# KiCad board mongus48.kicad_pcb
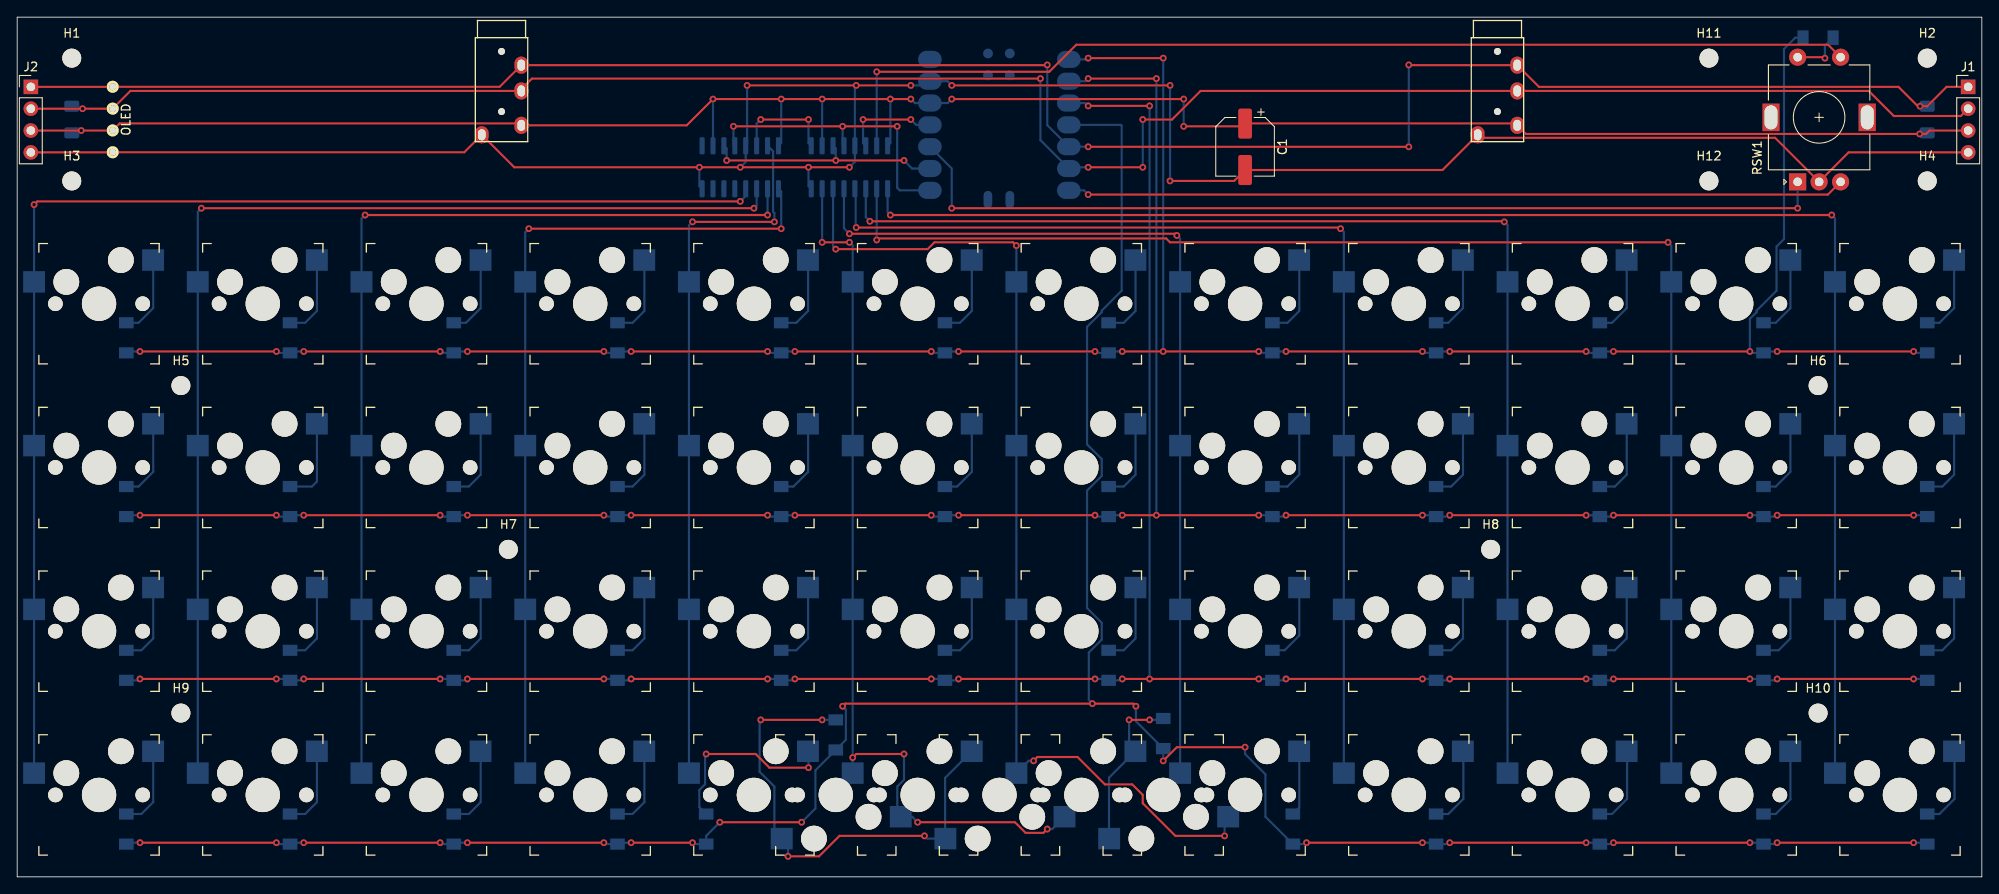
[diagram p0: board, top side]
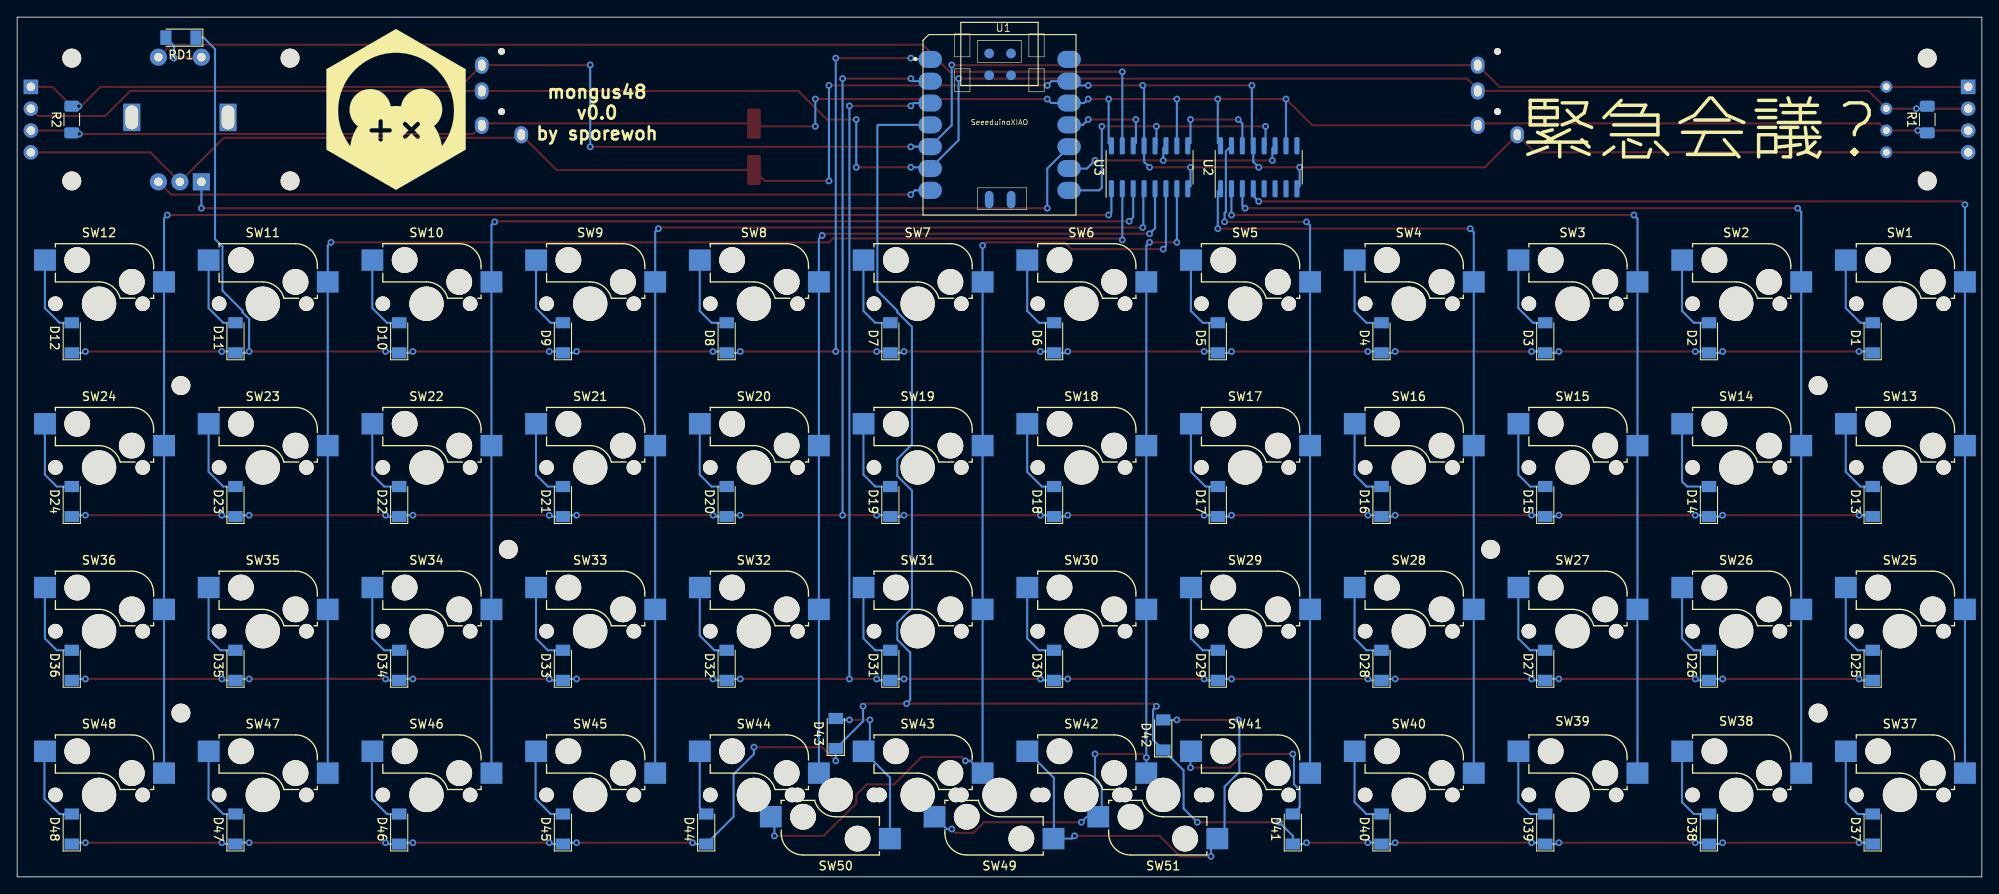
[diagram p1: board, bottom side, seen from below]

Outline 228.6 x 100.01 mm; copper layers: Top, Bottom. Coordinates in mm from the lower left corner of the outline.
Outline path: 0,100.01 0,0 228.6,0 228.6,100.01 0,100.01

## Placement (name value [footprint] x y rotation side)
C1  C_Polarized_US  [CP_Elec_6.3x7.7]  142.88 84.93 270 top
D1  LL4148  [D_MiniMELF]  12.7 62.71 90 bottom
D2  LL4148  [D_MiniMELF]  31.75 62.71 90 bottom
D3  LL4148  [D_MiniMELF]  50.8 62.71 90 bottom
D4  LL4148  [D_MiniMELF]  69.85 62.71 90 bottom
D5  LL4148  [D_MiniMELF]  88.9 62.71 90 bottom
D6  LL4148  [D_MiniMELF]  107.95 62.71 90 bottom
D7  LL4148  [D_MiniMELF]  127 62.71 90 bottom
D8  LL4148  [D_MiniMELF]  146.05 62.71 90 bottom
D9  LL4148  [D_MiniMELF]  165.1 62.71 90 bottom
D10  LL4148  [D_MiniMELF]  184.15 62.71 90 bottom
D11  LL4148  [D_MiniMELF]  203.2 62.71 90 bottom
D12  LL4148  [D_MiniMELF]  222.25 62.71 90 bottom
D13  LL4148  [D_MiniMELF]  12.7 43.66 90 bottom
D14  LL4148  [D_MiniMELF]  31.75 43.66 90 bottom
D15  LL4148  [D_MiniMELF]  50.8 43.66 90 bottom
D16  LL4148  [D_MiniMELF]  69.85 43.66 90 bottom
D17  LL4148  [D_MiniMELF]  88.9 43.66 90 bottom
D18  LL4148  [D_MiniMELF]  107.95 43.66 90 bottom
D19  LL4148  [D_MiniMELF]  127 43.66 90 bottom
D20  LL4148  [D_MiniMELF]  146.05 43.66 90 bottom
D21  LL4148  [D_MiniMELF]  165.1 43.66 90 bottom
D22  LL4148  [D_MiniMELF]  184.15 43.66 90 bottom
D23  LL4148  [D_MiniMELF]  203.2 43.66 90 bottom
D24  LL4148  [D_MiniMELF]  222.25 43.66 90 bottom
D25  LL4148  [D_MiniMELF]  12.7 24.61 90 bottom
D26  LL4148  [D_MiniMELF]  31.75 24.61 90 bottom
D27  LL4148  [D_MiniMELF]  50.8 24.61 90 bottom
D28  LL4148  [D_MiniMELF]  69.85 24.61 90 bottom
D29  LL4148  [D_MiniMELF]  88.9 24.61 90 bottom
D30  LL4148  [D_MiniMELF]  107.95 24.61 90 bottom
D31  LL4148  [D_MiniMELF]  127 24.61 90 bottom
D32  LL4148  [D_MiniMELF]  146.05 24.61 90 bottom
D33  LL4148  [D_MiniMELF]  165.1 24.61 90 bottom
D34  LL4148  [D_MiniMELF]  184.15 24.61 90 bottom
D35  LL4148  [D_MiniMELF]  203.2 24.61 90 bottom
D36  LL4148  [D_MiniMELF]  222.25 24.61 90 bottom
D37  LL4148  [D_MiniMELF]  12.7 5.56 90 bottom
D38  LL4148  [D_MiniMELF]  31.75 5.56 90 bottom
D39  LL4148  [D_MiniMELF]  50.8 5.56 90 bottom
D40  LL4148  [D_MiniMELF]  69.85 5.56 90 bottom
D41  LL4148  [D_MiniMELF]  80.17 5.56 90 bottom
D42  LL4148  [D_MiniMELF]  95.25 16.51 90 bottom
D43  LL4148  [D_MiniMELF]  133.35 16.67 90 bottom
D44  LL4148  [D_MiniMELF]  148.43 5.56 90 bottom
D45  LL4148  [D_MiniMELF]  165.1 5.56 90 bottom
D46  LL4148  [D_MiniMELF]  184.15 5.56 90 bottom
D47  LL4148  [D_MiniMELF]  203.2 5.56 90 bottom
D48  LL4148  [D_MiniMELF]  222.25 5.56 90 bottom
H1  MountingHole  [MountingHole_2.2mm_M2_DIN965]  6.35 95.25 0 top
H2  MountingHole  [MountingHole_2.2mm_M2_DIN965]  222.25 95.25 0 top
H3  MountingHole  [MountingHole_2.2mm_M2_DIN965]  6.35 80.96 0 top
H4  MountingHole  [MountingHole_2.2mm_M2_DIN965]  222.25 80.96 0 top
H5  MountingHole  [MountingHole_2.2mm_M2_DIN965]  19.05 57.15 0 top
H6  MountingHole  [MountingHole_2.2mm_M2_DIN965]  209.55 57.15 0 top
H7  MountingHole  [MountingHole_2.2mm_M2_DIN965]  57.15 38.1 0 top
H8  MountingHole  [MountingHole_2.2mm_M2_DIN965]  171.45 38.1 0 top
H9  MountingHole  [MountingHole_2.2mm_M2_DIN965]  19.05 19.05 0 top
H10  MountingHole  [MountingHole_2.2mm_M2_DIN965]  209.55 19.05 0 top
H11  MountingHole  [MountingHole_2.2mm_M2_DIN965]  196.85 95.25 0 top
H12  MountingHole  [MountingHole_2.2mm_M2_DIN965]  196.85 80.96 0 top
J1  Conn_01x04_Male  [PinHeader_1x04_P2.54mm_Vertical]  227.01 91.91 0 top
J2  Conn_01x04_Female  [PinHeader_1x04_P2.54mm_Vertical]  1.59 91.91 0 top
OL1  OLED  [OLED_v2]  11.11 88.11 270 top
R1  R  [R_1206_3216Metric_Pad1.30x1.75mm_HandSolder]  6.35 88.11 90 bottom
R2  R  [R_1206_3216Metric_Pad1.30x1.75mm_HandSolder]  222.25 88.11 90 bottom
RD1  LL4148  [D_MiniMELF]  209.55 97.63 0 bottom
RSW1  RotaryEncoder_Switch  [RotaryEncoder_Alps_EC11E-Switch_Vertical_H20mm]  207.17 80.86 90 top
SW1  SW_SPST  [Kailh_socket_MX]  9.52 66.68 0 top
SW2  SW_SPST  [Kailh_socket_MX]  28.58 66.68 0 top
SW3  SW_SPST  [Kailh_socket_MX]  47.63 66.68 0 top
SW4  SW_SPST  [Kailh_socket_MX]  66.68 66.68 0 top
SW5  SW_SPST  [Kailh_socket_MX]  85.72 66.68 0 top
SW6  SW_SPST  [Kailh_socket_MX]  104.78 66.68 0 top
SW7  SW_SPST  [Kailh_socket_MX]  123.82 66.68 0 top
SW8  SW_SPST  [Kailh_socket_MX]  142.88 66.68 0 top
SW9  SW_SPST  [Kailh_socket_MX]  161.92 66.68 0 top
SW10  SW_SPST  [Kailh_socket_MX]  180.97 66.68 0 top
SW11  SW_SPST  [Kailh_socket_MX]  200.03 66.68 0 top
SW12  SW_SPST  [Kailh_socket_MX]  219.07 66.68 0 top
SW13  SW_SPST  [Kailh_socket_MX]  9.52 47.62 0 top
SW14  SW_SPST  [Kailh_socket_MX]  28.58 47.62 0 top
SW15  SW_SPST  [Kailh_socket_MX]  47.63 47.62 0 top
SW16  SW_SPST  [Kailh_socket_MX]  66.68 47.62 0 top
SW17  SW_SPST  [Kailh_socket_MX]  85.72 47.62 0 top
SW18  SW_SPST  [Kailh_socket_MX]  104.78 47.62 0 top
SW19  SW_SPST  [Kailh_socket_MX]  123.82 47.62 0 top
SW20  SW_SPST  [Kailh_socket_MX]  142.88 47.62 0 top
SW21  SW_SPST  [Kailh_socket_MX]  161.92 47.62 0 top
SW22  SW_SPST  [Kailh_socket_MX]  180.97 47.62 0 top
SW23  SW_SPST  [Kailh_socket_MX]  200.03 47.62 0 top
SW24  SW_SPST  [Kailh_socket_MX]  219.07 47.62 0 top
SW25  SW_SPST  [Kailh_socket_MX]  9.52 28.58 0 top
SW26  SW_SPST  [Kailh_socket_MX]  28.58 28.58 0 top
SW27  SW_SPST  [Kailh_socket_MX]  47.63 28.58 0 top
SW28  SW_SPST  [Kailh_socket_MX]  66.68 28.58 0 top
SW29  SW_SPST  [Kailh_socket_MX]  85.72 28.58 0 top
SW30  SW_SPST  [Kailh_socket_MX]  104.78 28.58 0 top
SW31  SW_SPST  [Kailh_socket_MX]  123.82 28.58 0 top
SW32  SW_SPST  [Kailh_socket_MX]  142.88 28.58 0 top
SW33  SW_SPST  [Kailh_socket_MX]  161.92 28.58 0 top
SW34  SW_SPST  [Kailh_socket_MX]  180.97 28.58 0 top
SW35  SW_SPST  [Kailh_socket_MX]  200.03 28.58 0 top
SW36  SW_SPST  [Kailh_socket_MX]  219.07 28.58 0 top
SW37  SW_SPST  [Kailh_socket_MX]  9.52 9.53 0 top
SW38  SW_SPST  [Kailh_socket_MX]  28.58 9.53 0 top
SW39  SW_SPST  [Kailh_socket_MX]  47.63 9.53 0 top
SW40  SW_SPST  [Kailh_socket_MX]  66.68 9.53 0 top
SW41  SW_SPST  [Kailh_socket_MX]  85.72 9.53 0 top
SW42  SW_SPST  [Kailh_socket_MX]  104.78 9.53 0 top
SW43  SW_SPST  [Kailh_socket_MX]  123.82 9.53 0 top
SW44  SW_SPST  [Kailh_socket_MX]  142.88 9.53 0 top
SW45  SW_SPST  [Kailh_socket_MX]  161.92 9.53 0 top
SW46  SW_SPST  [Kailh_socket_MX]  180.97 9.53 0 top
SW47  SW_SPST  [Kailh_socket_MX]  200.03 9.53 0 top
SW48  SW_SPST  [Kailh_socket_MX]  219.07 9.53 0 top
SW49  SW_SPST  [Kailh_socket_MX]  114.3 9.53 180 top
SW50  SW_SPST  [Kailh_socket_MX]  133.35 9.53 180 top
SW51  SW_SPST  [Kailh_socket_MX]  95.25 9.53 180 top
U1  SeeeduinoXIAO  [Seeeduino XIAO-MOUDLE14P-2.54-21X17.8MM]  123.2 76.99 180 bottom
U2  74HC595  [SOP-16_3.9x9.9mm_P1.27mm]  84.14 82.55 90 bottom
U3  74HC595  [SOP-16_3.9x9.9mm_P1.27mm]  96.84 82.55 90 bottom
U4  TRRS  [TRRS-PJ-320A]  56.36 97.63 0 top
U5  TRRS  [TRRS-PJ-320A]  172.24 97.63 0 top

## Footprints (pads in the part's own frame, mm; a bottom-side part is the same pattern mirrored in y, then rotated)
CP_Elec_6.3x7.7
  rrect 3.5x1.6 smd: 1(-2.7,0) 2(2.7,0)
D_MiniMELF
  rect 1.3x1.7 smd: 1(-1.75,0) 2(1.75,0)
Kailh_socket_MX
  round 1.702 hole 1.702 unplated: (-5.08,0) (5.08,0)
  round 3 hole 3 unplated: (-3.81,2.54) (2.54,5.08)
  round 3.988 hole 3.988 unplated: (0,0)
  rect 2.55x2.5 smd far side: 1(6.29,5.08) 2(-7.56,2.54)
MountingHole_2.2mm_M2_DIN965
  round 2.2 hole 2.2 unplated: (0,0)
OLED_v2
  round 1.397 hole 0.813: 1(-3.81,0) 2(-1.27,0) 3(1.27,0) 4(3.81,0)
PinHeader_1x04_P2.54mm_Vertical
  rect 1.7x1.7 hole 1: 1(0,0)
  oval 1.7x1.7 hole 1: 2(0,-2.54) 3(0,-5.08) 4(0,-7.62)
R_1206_3216Metric_Pad1.30x1.75mm_HandSolder
  rrect 1.3x1.75 smd: 1(-1.55,0) 2(1.55,0)
RotaryEncoder_Alps_EC11E-Switch_Vertical_H20mm
  rect 2x2 hole 1: A(0,0)
  round 2 hole 1: B(0,-5) C(0,-2.5) S1(14.5,-5) S2(14.5,0)
  rect 3.2x2 hole 2.8x1.5: MP(7.5,3.1) MP(7.5,-8.1)
Seeeduino XIAO-MOUDLE14P-2.54-21X17.8MM
  oval 2.748x1.999 smd: 1(0.833,18.118) 2(0.833,15.578) 3(0.833,13.038) 4(0.833,10.498) 5(0.833,7.958) 6(0.833,5.418) 7(0.833,2.878) 8(16.998,2.878) 9(16.998,5.418) 10(16.998,7.958) 11(16.998,10.498) 12(16.998,13.038) 13(16.998,15.578) 14(16.998,18.118)
  oval 1.016x2.032 smd: 15(7.7,1.8) 16(10.25,1.8)
  round 1.143 smd: 17(7.699,18.804) 18(10.239,18.804) 19(7.699,16.264) 20(10.239,16.264)
SOP-16_3.9x9.9mm_P1.27mm
  rrect 2x0.6 smd: 1(-2.5,4.445) 2(-2.5,3.175) 3(-2.5,1.905) 4(-2.5,0.635) 5(-2.5,-0.635) 6(-2.5,-1.905) 7(-2.5,-3.175) 8(-2.5,-4.445) 9(2.5,-4.445) 10(2.5,-3.175) 11(2.5,-1.905) 12(2.5,-0.635) 13(2.5,0.635) 14(2.5,1.905) 15(2.5,3.175) 16(2.5,4.445)
TRRS-PJ-320A
  round 0.8 hole 0.8 unplated: (0,-1.6) (0,-8.6)
  oval 1.6x2 hole 0.9x1.3: 1(-2.3,-11.3) 2(2.3,-10.2) 3(2.3,-6.2) 4(2.3,-3.2)

## Nets
3v3: C1.1 J1.3 J2.3 OL1.3 R1.1 R2.1 U1.12 U2.10 U2.16 U3.10 U3.16 U4.2 U5.2
gnd: C1.2 J1.4 J2.4 OL1.4 RSW1.C U1.13 U2.8 U2.13 U3.8 U3.13 U4.1 U5.1
col0: RSW1.S1 U3.15
col1: SW12.2 SW24.2 SW36.2 SW48.2 U3.1
col2: SW11.2 SW23.2 SW35.2 SW47.2 U3.2
col3: SW10.2 SW22.2 SW34.2 SW46.2 U3.3
col4: SW9.2 SW21.2 SW33.2 SW45.2 U3.4
col5: SW8.2 SW20.2 SW32.2 SW44.2 U3.5
col6: SW7.2 SW19.2 SW31.2 SW43.2 SW50.2 U3.6
col7: SW6.2 SW18.2 SW30.2 SW42.2 SW49.2 SW51.2 U3.7
col8: SW5.2 SW17.2 SW29.2 SW41.2 U2.15
col9: SW4.2 SW16.2 SW28.2 SW40.2 U2.1
col10: SW3.2 SW15.2 SW27.2 SW39.2 U2.2
col11: SW2.2 SW14.2 SW26.2 SW38.2 U2.3
col12: SW1.2 SW13.2 SW25.2 SW37.2 U2.4
io_cs: U1.8 U2.12 U3.12
mosi: U1.11 U3.14
pad_a: RSW1.A U1.10
pad_b: RSW1.B U1.7
row0: D1.1 D2.1 D3.1 D4.1 D5.1 D6.1 D7.1 D8.1 D9.1 D10.1 D11.1 D12.1 RD1.1 U1.1
row1: D13.1 D14.1 D15.1 D16.1 D17.1 D18.1 D19.1 D20.1 D21.1 D22.1 D23.1 D24.1 U1.2
row2: D25.1 D26.1 D27.1 D28.1 D29.1 D30.1 D31.1 D32.1 D33.1 D34.1 D35.1 D36.1 U1.3
row3: D37.1 D38.1 D39.1 D40.1 D41.1 D42.1 D43.1 D44.1 D45.1 D46.1 D47.1 D48.1 U1.4
sck: U1.9 U2.11 U3.11
scl: J1.2 J2.2 OL1.2 R1.2 U1.6 U4.3 U5.3
sda: J1.1 J2.1 OL1.1 R2.2 U1.5 U4.4 U5.4
Net-(D1-Pad2): D1.2 SW1.1
Net-(D2-Pad2): D2.2 SW2.1
Net-(D3-Pad2): D3.2 SW3.1
Net-(D4-Pad2): D4.2 SW4.1
Net-(D5-Pad2): D5.2 SW5.1
Net-(D6-Pad2): D6.2 SW6.1
Net-(D7-Pad2): D7.2 SW7.1
Net-(D8-Pad2): D8.2 SW8.1
Net-(D9-Pad2): D9.2 SW9.1
Net-(D10-Pad2): D10.2 SW10.1
Net-(D11-Pad2): D11.2 SW11.1
Net-(D12-Pad2): D12.2 SW12.1
Net-(D13-Pad2): D13.2 SW13.1
Net-(D14-Pad2): D14.2 SW14.1
Net-(D15-Pad2): D15.2 SW15.1
Net-(D16-Pad2): D16.2 SW16.1
Net-(D17-Pad2): D17.2 SW17.1
Net-(D18-Pad2): D18.2 SW18.1
Net-(D19-Pad2): D19.2 SW19.1
Net-(D20-Pad2): D20.2 SW20.1
Net-(D21-Pad2): D21.2 SW21.1
Net-(D22-Pad2): D22.2 SW22.1
Net-(D23-Pad2): D23.2 SW23.1
Net-(D24-Pad2): D24.2 SW24.1
Net-(D25-Pad2): D25.2 SW25.1
Net-(D26-Pad2): D26.2 SW26.1
Net-(D27-Pad2): D27.2 SW27.1
Net-(D28-Pad2): D28.2 SW28.1
Net-(D29-Pad2): D29.2 SW29.1
Net-(D30-Pad2): D30.2 SW30.1
Net-(D31-Pad2): D31.2 SW31.1
Net-(D32-Pad2): D32.2 SW32.1
Net-(D33-Pad2): D33.2 SW33.1
Net-(D34-Pad2): D34.2 SW34.1
Net-(D35-Pad2): D35.2 SW35.1
Net-(D36-Pad2): D36.2 SW36.1
Net-(D37-Pad2): D37.2 SW37.1
Net-(D38-Pad2): D38.2 SW38.1
Net-(D39-Pad2): D39.2 SW39.1
Net-(D40-Pad2): D40.2 SW40.1
Net-(D41-Pad2): D41.2 SW41.1
Net-(D42-Pad2): D42.2 SW42.1 SW49.1 SW51.1
Net-(D43-Pad2): D43.2 SW43.1 SW50.1
Net-(D44-Pad2): D44.2 SW44.1
Net-(D45-Pad2): D45.2 SW45.1
Net-(D46-Pad2): D46.2 SW46.1
Net-(D47-Pad2): D47.2 SW47.1
Net-(D48-Pad2): D48.2 SW48.1
Net-(RD1-Pad2): RD1.2 RSW1.S2
Net-(U2-Pad14): U2.14 U3.9

Pads without a net: RSW1 MP; U1 14 15 16 17 18 19 20; U2 5 6 7 9

## Via types
v1: diameter 0.8, hole 0.4, Top to Bottom, 181 vias

## Routing (per net, layer and track width the routed paths; a pad name or vN(x,y) marks a point on that pad's centre or on a via; arc(x,y) is an arc through that point)
3v3: length 255.7
  Top w0.25: J1.3 222.52,86.83 R2.1 222.13,86.43 v1(221.37,86.43) 175.54,86.43 U5.2 174.32,87.66 142.9,87.66 C1.1 142.56,87.31 v1(135.73,87.31) ; J2.3 v1(7.45,86.83) 11.1,86.83 OL1.3 11.93,87.66 58.43,87.66 U4.2 77.91,87.43 v1(80.96,90.49) v1(103.98,90.49) ; v1(108.74,90.49) v1(135.73,90.49)
  Bottom w0.25: U2.16 88.9,85.37 v1(88.9,90.49) ; v1(135.73,90.49) v1(135.73,87.31) ; v1(7.45,86.83) 6.62,86.83 R1.1 ; v1(221.37,86.43) 222.13,86.43 R2.1 ; v1(103.98,90.49) 104.44,90.03 U1.12 108.28,90.03 v1(108.74,90.49) ; v1(101.6,90.49) 101.6,85.37 U3.16 ; v1(80.96,90.49) U2.10 ; v1(93.66,90.49) U3.10
gnd: length 282.1
  Top w0.25: v1(96.84,82.55) v1(92.07,82.55) v1(84.14,82.55) v1(79.38,82.55) 57.84,82.55 U4.1 52.02,84.3 OL1.4 11.1,84.29 J2.4 ; v1(108.74,92.08) v1(134.14,92.08) ; v1(84.93,92.08) v1(97.63,92.08) v1(103.98,92.08) ; v1(134.14,80.96) 141.61,80.96 C1.2 165.84,82.23 U5.1 170.29,85.98 204.54,85.98 RSW1.C 213.1,84.29 J1.4
  Bottom w0.25: v1(97.63,92.08) 97.47,91.92 U3.13 97.47,83.19 v1(96.84,82.55) ; U2.8 79.38,80.37 v1(79.38,82.55) ; v1(92.07,82.55) 92.07,80.37 U3.8 ; v1(84.14,82.55) 84.77,83.19 U2.13 84.93,85.21 v1(84.93,92.08) ; v1(134.14,92.08) v1(134.14,80.96) ; v1(103.98,92.08) 105.71,92.08 U1.13 108.25,92.57 v1(108.74,92.08)
col0: length 122.7
  Top w0.25: v1(100.01,93.66) 120.09,93.66 123.23,96.81 210.72,96.81 RSW1.S1
  Bottom w0.25: U3.15 v1(100.01,93.66)
col1: length 177.8
  Top w0.25: v1(101.6,76.99) v1(211.14,76.99)
  Bottom w0.25: v1(211.14,76.99) 211.51,76.62 SW12.2 SW48.2 ; U3.1 101.28,77.31 v1(101.6,76.99)
col2: length 160.2
  Top w0.25: v1(100.01,74.09) 100.19,74.27 133.69,74.27 134.14,73.82 v1(192.09,73.82)
  Bottom w0.25: v1(192.09,73.82) 192.47,73.44 SW11.2 SW47.2 ; U3.2 v1(100.01,74.09)
col3: length 142.1
  Top w0.25: v1(99.22,76.27) 172.97,76.27 v1(173.04,76.2)
  Bottom w0.25: v1(99.22,76.27) 98.74,76.74 U3.3 ; SW46.2 SW10.2 173.41,75.82 v1(173.04,76.2)
col4: length 124.5
  Top w0.25: v1(153.99,75.41) 153.85,75.54 v1(97.63,75.54)
  Bottom w0.25: SW45.2 SW9.2 154.36,75.03 v1(153.99,75.41) ; v1(97.63,75.54) 97.56,75.61 97.56,79.96 U3.4
col5: length 106.4
  Top w0.25: v1(96.84,74.82) 134.73,74.82 v1(134.94,74.61)
  Bottom w0.25: v1(134.94,74.61) 135.31,74.23 SW8.2 SW44.2 ; v1(96.84,74.82) 96.2,75.45 U3.5
col6: length 121.8
  Top w0.25: v1(118.27,13.49) 118.71,13.94 123.38,13.94 126.57,10.75 129.74,10.75 130.97,9.53 130.97,8.56 134.76,4.76 v1(140.49,4.76) ; v1(116.26,73.44) 115.89,73.82 106.73,73.82 105.93,73.03 v1(95.25,73.03)
  Bottom w0.25: v1(95.25,73.03) 94.93,73.34 U3.6 ; SW50.2 140.49,6.57 v1(140.49,4.76) ; v1(116.26,73.44) SW43.2 117.69,13.49 v1(118.27,13.49)
col7: length 105.9
  Top w0.25: v1(104.78,6.35) 116.09,6.35 117.33,5.11 119.41,5.11 v1(119.86,5.56) ; v1(103.19,14.29) 97.63,14.29 v1(97.22,13.87) ; v1(93.66,73.82) v1(96.84,73.82)
  Bottom w0.25: v1(119.86,5.56) 120.43,5.56 SW49.2 ; SW42.2 v1(97.22,13.87) SW6.2 97.22,73.44 v1(96.84,73.82) ; v1(103.19,14.29) 103.19,11.29 102.41,10.51 102.41,7.39 SW51.2 104.14,6.99 v1(104.78,6.35) ; U3.7 v1(93.66,73.82)
col8: length 83
  Top w0.25: v1(88.11,76.2) v1(78.58,76.2)
  Bottom w0.25: U2.15 87.96,84.4 87.96,77.37 88.11,77.22 v1(88.11,76.2) ; v1(78.58,76.2) 78.16,75.78 SW5.2 SW41.2
col9: length 97.7
  Top w0.25: v1(88.9,75.41) v1(59.53,75.41)
  Bottom w0.25: v1(59.53,75.41) 59.12,74.99 SW4.2 SW16.2 SW40.2 ; U2.1 88.9,79.73 v1(88.9,75.41)
col10: length 115
  Top w0.25: v1(87.31,76.99) v1(40.48,76.99)
  Bottom w0.25: v1(40.48,76.99) 40.07,76.58 SW3.2 SW39.2 ; U2.2 v1(87.31,76.99)
col11: length 132.6
  Top w0.25: v1(85.72,77.79) v1(21.43,77.79)
  Bottom w0.25: v1(21.43,77.79) 21.02,77.37 SW2.2 SW38.2 ; v1(85.72,77.79) 86.04,78.11 U2.3
col12: length 150.2
  Top w0.25: v1(84.14,78.58) 2.34,78.58 v1(1.97,78.2)
  Bottom w0.25: v1(84.14,78.58) 84.77,79.22 U2.4 ; v1(1.97,78.2) SW1.2 SW37.2
io_cs: length 34.8
  Top w0.25: v1(102.39,87.31) v1(83.34,87.31)
  Bottom w0.25: U1.8 102.7,79.87 102.39,80.17 v1(102.39,87.31) ; v1(83.34,87.31) 83.34,85.21 U2.12 ; v1(96.04,87.31) 96.04,85.21 U3.12
mosi: length 11.2
  Top w0.25: v1(103.98,88.11) v1(98.42,88.11)
  Bottom w0.25: v1(103.98,88.11) 104.6,87.49 U1.11 ; U3.14 98.42,85.37 v1(98.42,88.11)
pad_a: length 109.7
  Top w0.25: v1(108.74,77.79) v1(207.17,77.79)
  Bottom w0.25: v1(108.74,77.79) 108.74,82.4 U1.10 ; v1(207.17,77.79) RSW1.A
pad_b: length 90.6
  Top w0.25: v1(124.62,79.38) 210.69,79.38 RSW1.B
  Bottom w0.25: U1.7 124.13,79.87 v1(124.62,79.38)
row0: length 295.8
  Top w0.25: v1(144.46,61.12) v1(133.35,61.12) v1(128.59,61.12) ; v1(201.61,61.12) v1(185.74,61.12) ; v1(68.26,61.12) v1(52.39,61.12) ; v1(49.21,61.12) v1(33.34,61.12) ; v1(30.16,61.12) v1(14.29,61.12) ; v1(106.36,61.12) v1(90.49,61.12) ; v1(220.66,61.12) v1(204.79,61.12) ; v1(124.62,95.25) v1(133.35,95.25) ; v1(125.41,61.12) v1(109.54,61.12) ; v1(182.56,61.12) v1(166.69,61.12) ; v1(163.51,61.12) v1(147.64,61.12) ; v1(87.31,61.12) v1(71.44,61.12)
  Bottom w0.25: v1(106.36,61.12) 106.53,60.96 D6.1 108.11,61.12 v1(109.54,61.12) ; v1(33.34,61.12) 31.91,61.12 D2.1 30.33,60.96 v1(30.16,61.12) ; v1(166.69,61.12) 165.26,61.12 D9.1 163.67,60.96 v1(163.51,61.12) ; v1(49.21,61.12) 49.38,60.96 D3.1 50.96,61.12 v1(52.39,61.12) ; v1(90.49,61.12) 89.06,61.12 D5.1 87.47,60.96 v1(87.31,61.12) ; D1.1 12.86,61.12 v1(14.29,61.12) ; v1(144.46,61.12) 144.62,60.96 D8.1 146.21,61.12 v1(147.64,61.12) ; RD1.1 206.9,97.63 205.58,96.31 205.58,74.2 204.72,73.33 204.72,68.19 202.39,65.87 202.39,65.69 201.61,64.91 v1(201.61,61.12) 201.78,60.96 D11.1 203.36,61.12 v1(204.79,61.12) ; v1(182.56,61.12) 182.72,60.96 D10.1 184.31,61.12 v1(185.74,61.12) ; v1(124.62,95.25) 124.47,95.11 U1.1 ; v1(125.41,61.12) 125.57,60.96 D7.1 127.16,61.12 v1(128.59,61.12) ; v1(133.35,95.25) v1(133.35,61.12) ; v1(68.26,61.12) 68.43,60.96 D4.1 70.01,61.12 v1(71.44,61.12) ; v1(220.66,61.12) 220.82,60.96 D12.1
row1: length 272.1
  Top w0.25: v1(87.31,42.07) v1(71.44,42.07) ; v1(125.41,42.07) v1(109.54,42.07) ; v1(30.16,42.07) v1(14.29,42.07) ; v1(124.62,92.87) v1(132.56,92.87) ; v1(166.69,42.07) v1(182.56,42.07) ; v1(132.56,42.07) v1(144.46,42.07) ; v1(185.74,42.07) v1(201.61,42.07) ; v1(147.64,42.07) v1(163.51,42.07) ; v1(68.26,42.07) v1(52.39,42.07) ; v1(49.21,42.07) v1(33.34,42.07) ; v1(106.36,42.07) v1(90.49,42.07) ; 132.49,42.07 v1(128.59,42.07) ; v1(204.79,42.07) v1(220.66,42.07)
  Bottom w0.25: v1(204.79,42.07) 204.62,41.91 D23.1 203.04,42.07 v1(201.61,42.07) ; v1(87.31,42.07) 87.47,41.91 D17.1 89.06,42.07 v1(90.49,42.07) ; D24.1 222.09,42.07 v1(220.66,42.07) ; v1(163.51,42.07) 164.94,42.07 D21.1 166.53,41.91 v1(166.69,42.07) ; v1(49.21,42.07) 49.38,41.91 D15.1 50.96,42.07 v1(52.39,42.07) ; v1(106.36,42.07) 106.53,41.91 D18.1 108.11,42.07 v1(109.54,42.07) ; v1(68.26,42.07) 68.43,41.91 D16.1 70.01,42.07 v1(71.44,42.07) ; U1.2 124.32,92.57 v1(124.62,92.87) ; v1(147.64,42.07) 147.47,41.91 D20.1 145.89,42.07 v1(144.46,42.07) ; v1(30.16,42.07) 30.33,41.91 D14.1 31.91,42.07 v1(33.34,42.07) ; v1(14.29,42.07) 12.86,42.07 D13.1 ; v1(182.56,42.07) 183.99,42.07 D22.1 185.57,41.91 v1(185.74,42.07) ; v1(132.56,92.87) v1(132.56,42.07) ; v1(125.41,42.07) 125.57,41.91 D19.1 127.16,42.07 v1(128.59,42.07)
row2: length 287.2
  Top w0.25: v1(144.46,23.02) v1(131.76,23.02) v1(128.59,23.02) ; v1(204.79,23.02) v1(220.66,23.02) ; v1(90.49,23.02) v1(106.36,23.02) ; v1(185.74,23.02) v1(201.61,23.02) ; v1(52.39,23.02) v1(68.26,23.02) ; v1(14.29,23.02) v1(30.16,23.02) ; v1(33.34,23.02) v1(49.21,23.02) ; v1(124.62,89.69) v1(131.76,89.69) ; v1(109.54,23.02) v1(125.41,23.02) ; v1(166.69,23.02) v1(182.56,23.02) ; v1(147.64,23.02) v1(163.51,23.02) ; v1(71.44,23.02) v1(87.31,23.02)
  Bottom w0.25: v1(109.54,23.02) 109.38,22.86 D30.1 107.79,23.02 v1(106.36,23.02) ; v1(185.74,23.02) 185.57,22.86 D34.1 183.99,23.02 v1(182.56,23.02) ; v1(124.62,89.69) 124.29,90.03 U1.3 ; v1(163.51,23.02) 164.94,23.02 D33.1 166.53,22.86 v1(166.69,23.02) ; v1(125.41,23.02) 126.84,23.02 D31.1 128.42,22.86 v1(128.59,23.02) ; v1(87.31,23.02) 88.74,23.02 D29.1 90.32,22.86 v1(90.49,23.02) ; v1(49.21,23.02) 50.64,23.02 D27.1 52.23,22.86 v1(52.39,23.02) ; v1(220.66,23.02) 222.09,23.02 D36.1 ; v1(147.64,23.02) 147.47,22.86 D32.1 145.89,23.02 v1(144.46,23.02) ; v1(201.61,23.02) 203.04,23.02 D35.1 204.62,22.86 v1(204.79,23.02) ; v1(30.16,23.02) 31.59,23.02 D26.1 33.18,22.86 v1(33.34,23.02) ; v1(68.26,23.02) 69.69,23.02 D28.1 71.28,22.86 v1(71.44,23.02) ; D25.1 14.12,22.86 v1(14.29,23.02) ; v1(131.76,89.69) v1(131.76,23.02)
row3: length 314.7
  Top w0.25: v1(49.21,3.97) v1(33.34,3.97) ; v1(130.17,19.84) 129.87,20.15 v1(125.11,20.15) 96.35,20.15 v1(96.04,19.84) ; v1(185.74,3.97) v1(201.61,3.97) ; v1(150.02,3.97) v1(163.51,3.97) ; v1(133.35,13.49) 134.94,15.08 v1(142.88,15.08) ; v1(166.69,3.97) v1(182.56,3.97) ; v1(91.28,6.35) v1(81.76,6.35) ; v1(68.26,3.97) v1(52.39,3.97) ; v1(204.79,3.97) v1(220.66,3.97) ; v1(30.16,3.97) v1(14.29,3.97) ; v1(78.58,3.97) v1(71.44,3.97)
  Bottom w0.25: v1(52.39,3.97) 50.96,3.97 D39.1 49.38,3.81 v1(49.21,3.97) ; v1(14.29,3.97) 12.86,3.97 D37.1 ; v1(166.69,3.97) 166.53,3.81 D45.1 164.94,3.97 v1(163.51,3.97) ; v1(133.35,13.49) D43.1 130.17,18.09 v1(130.17,19.84) ; v1(71.44,3.97) 70.01,3.97 D40.1 68.43,3.81 v1(68.26,3.97) ; v1(142.88,15.08) 142.88,14.29 145.24,11.92 145.24,6.99 D44.1 149.86,3.81 v1(150.02,3.97) ; D48.1 222.09,3.97 v1(220.66,3.97) ; v1(185.74,3.97) 185.57,3.81 D46.1 183.99,3.97 v1(182.56,3.97) ; v1(33.34,3.97) 31.91,3.97 D38.1 30.33,3.81 v1(30.16,3.97) ; v1(204.79,3.97) 204.62,3.81 D47.1 203.04,3.97 v1(201.61,3.97) ; v1(91.28,6.35) 92.88,7.95 92.88,12.39 D42.1 96.42,15.93 96.42,19.46 v1(96.04,19.84) ; v1(78.58,3.97) 78.74,3.81 D41.1 80.17,4.76 v1(81.76,6.35) ; U1.4 128.41,87.49 128.52,87.38 128.52,68.19 126.19,65.87 126.19,65.69 124.49,63.99 124.49,50.31 126.19,48.61 126.19,46.64 124.49,44.94 124.49,31.26 126.19,29.56 126.19,27.59 124.69,26.09 124.69,20.57 v1(125.11,20.15)
sck: length 27.7
  Top w0.25: v1(103.19,83.34) v1(82.55,83.34)
  Bottom w0.25: v1(103.19,83.34) 104.13,82.41 U1.9 ; v1(82.55,83.34) 82.55,84.73 U2.11 ; U3.11 95.25,84.73 v1(95.25,83.34)
scl: length 245.5
  Top w0.25: v1(130.97,82.55) v1(124.62,82.55) ; v1(130.97,88.11) 134.37,88.11 137.7,91.43 U5.3 215.44,91.43 218.36,88.52 226.16,88.52 J1.2 ; J2.2 v1(7.61,89.37) 11.1,89.37 OL1.2 13.17,91.43 U4.3 58.66,91.63 59.89,92.87 v1(119.06,92.87)
  Bottom w0.25: v1(124.62,82.55) 122.51,82.55 U1.6 119.06,85.71 v1(119.06,92.87) ; v1(130.97,88.11) v1(130.97,82.55) ; R1.2 6.64,89.37 v1(7.61,89.37)
sda: length 247.8
  Top w0.25: v1(124.62,84.93) v1(161.92,84.93) ; J1.1 224.5,91.91 R2.2 v1(221.42,89.66) 221.16,89.66 218.91,91.91 177.07,91.91 U5.4 161.95,94.43 ; J2.1 11.1,91.91 OL1.1 56.14,91.92 U4.4 119.83,94.43 v1(119.86,94.46)
  Bottom w0.25: v1(124.62,84.93) 124.6,84.95 U1.5 119.86,87.46 v1(119.86,94.46) ; v1(161.92,84.93) v1(161.92,94.46) ; v1(221.42,89.66) R2.2
Net-(D1-Pad2): length 9.4
  Bottom w0.25: SW1.1 15.83,71.74 15.83,66.17 14.12,64.46 D1.2
Net-(D2-Pad2): length 9.6
  Bottom w0.25: D2.2 33.5,64.46 34.88,65.84 34.88,71.74 SW2.1
Net-(D3-Pad2): length 9.4
  Bottom w0.25: D3.2 52.22,64.46 53.93,66.17 53.93,71.74 SW3.1
Net-(D4-Pad2): length 9.6
  Bottom w0.25: D4.2 71.6,64.46 72.98,65.84 72.98,71.74 SW4.1
Net-(D5-Pad2): length 9.6
  Bottom w0.25: D5.2 90.65,64.46 92.03,65.84 92.03,71.74 SW5.1
Net-(D6-Pad2): length 9.6
  Bottom w0.25: D6.2 109.7,64.46 111.08,65.84 111.08,71.74 SW6.1
Net-(D7-Pad2): length 9.6
  Bottom w0.25: SW7.1 130.13,71.74 130.13,65.84 128.75,64.46 D7.2
Net-(D8-Pad2): length 9.6
  Bottom w0.25: SW8.1 149.18,71.74 149.18,65.84 147.8,64.46 D8.2
Net-(D9-Pad2): length 9.4
  Bottom w0.25: SW9.1 168.23,71.74 168.23,66.17 166.52,64.46 D9.2
Net-(D10-Pad2): length 9.4
  Bottom w0.25: SW10.1 187.28,71.74 187.28,66.17 185.57,64.46 D10.2
Net-(D11-Pad2): length 9.4
  Bottom w0.25: SW11.1 206.33,71.74 206.33,66.17 204.62,64.46 D11.2
Net-(D12-Pad2): length 9.4
  Bottom w0.25: D12.2 223.67,64.46 225.38,66.17 225.38,71.74 SW12.1
Net-(D13-Pad2): length 9.4
  Bottom w0.25: SW13.1 15.83,52.69 15.83,47.12 14.12,45.41 D13.2
Net-(D14-Pad2): length 10.1
  Bottom w0.25: D14.2 34.29,45.41 34.88,45.99 34.88,52.69 SW14.1
Net-(D15-Pad2): length 9.6
  Bottom w0.25: D15.2 52.55,45.41 53.93,46.79 53.93,52.69 SW15.1
Net-(D16-Pad2): length 9.6
  Bottom w0.25: SW16.1 72.98,52.69 72.98,46.79 71.6,45.41 D16.2
Net-(D17-Pad2): length 9.4
  Bottom w0.25: D17.2 90.32,45.41 92.03,47.12 92.03,52.69 SW17.1
Net-(D18-Pad2): length 9.4
  Bottom w0.25: SW18.1 111.08,52.69 111.08,47.12 109.37,45.41 D18.2
Net-(D19-Pad2): length 9.6
  Bottom w0.25: D19.2 128.75,45.41 130.13,46.79 130.13,52.69 SW19.1
Net-(D20-Pad2): length 9.6
  Bottom w0.25: SW20.1 149.18,52.69 149.18,46.79 147.8,45.41 D20.2
Net-(D21-Pad2): length 9.6
  Bottom w0.25: D21.2 166.85,45.41 168.23,46.79 168.23,52.69 SW21.1
Net-(D22-Pad2): length 9.6
  Bottom w0.25: D22.2 185.9,45.41 187.28,46.79 187.28,52.69 SW22.1
Net-(D23-Pad2): length 9.4
  Bottom w0.25: D23.2 204.62,45.41 206.33,47.12 206.33,52.69 SW23.1
Net-(D24-Pad2): length 9.6
  Bottom w0.25: SW24.1 225.38,52.69 225.38,46.79 224,45.41 D24.2
Net-(D25-Pad2): length 9.6
  Bottom w0.25: SW25.1 15.83,33.64 15.83,27.74 14.45,26.36 D25.2
Net-(D26-Pad2): length 9.6
  Bottom w0.25: D26.2 33.5,26.36 34.88,27.74 34.88,33.64 SW26.1
Net-(D27-Pad2): length 9.6
  Bottom w0.25: SW27.1 53.93,33.64 53.93,27.74 52.55,26.36 D27.2
Net-(D28-Pad2): length 9.6
  Bottom w0.25: SW28.1 72.98,33.64 72.98,27.74 71.6,26.36 D28.2
Net-(D29-Pad2): length 9.6
  Bottom w0.25: D29.2 90.65,26.36 92.03,27.74 92.03,33.64 SW29.1
Net-(D30-Pad2): length 9.6
  Bottom w0.25: SW30.1 111.08,33.64 111.08,27.74 109.7,26.36 D30.2
Net-(D31-Pad2): length 9.6
  Bottom w0.25: D31.2 128.75,26.36 130.13,27.74 130.13,33.64 SW31.1
Net-(D32-Pad2): length 9.4
  Bottom w0.25: D32.2 147.47,26.36 149.18,28.07 149.18,33.64 SW32.1
Net-(D33-Pad2): length 9.6
  Bottom w0.25: SW33.1 168.23,33.64 168.23,27.74 166.85,26.36 D33.2
Net-(D34-Pad2): length 9.6
  Bottom w0.25: SW34.1 187.28,33.64 187.28,27.74 185.9,26.36 D34.2
Net-(D35-Pad2): length 9.6
  Bottom w0.25: D35.2 204.95,26.36 206.33,27.74 206.33,33.64 SW35.1
Net-(D36-Pad2): length 9.6
  Bottom w0.25: SW36.1 225.38,33.64 225.38,27.74 224,26.36 D36.2
Net-(D37-Pad2): length 9.6
  Bottom w0.25: D37.2 14.45,7.31 15.83,8.69 15.83,14.59 SW37.1
Net-(D38-Pad2): length 9.6
  Bottom w0.25: SW38.1 34.88,14.59 34.88,8.69 33.5,7.31 D38.2
Net-(D39-Pad2): length 9.6
  Bottom w0.25: SW39.1 53.93,14.59 53.93,8.69 52.55,7.31 D39.2
Net-(D40-Pad2): length 9.6
  Bottom w0.25: D40.2 71.6,7.31 72.98,8.69 72.98,14.59 SW40.1
Net-(D41-Pad2): length 22.1
  Top w0.25: v1(80.17,14.29) 85.93,14.29 87.52,12.7 v1(92.07,12.7)
  Bottom w0.25: D41.2 79.38,8.1 79.38,10.1 80.04,10.77 80.04,14.16 v1(80.17,14.29) ; SW41.1 92.07,14.55 v1(92.07,12.7)
Net-(D42-Pad2): length 56.9
  Top w0.25: v1(105.57,4.76) 95.68,4.76 93.3,2.38 v1(89.69,2.38) ; v1(93.66,18.26) v1(86.52,18.26)
  Bottom w0.25: v1(89.69,2.38) 89.69,3.71 SW51.1 88.11,5.3 88.11,10.49 86.39,12.21 86.39,18.13 v1(86.52,18.26) ; v1(105.57,4.76) 105.89,4.44 SW49.1 107.97,4.49 107.97,11.51 SW42.1 ; D42.2 v1(93.66,18.26)
Net-(D43-Pad2): length 19.4
  Top w0.25: v1(129.38,18.26) v1(131.76,18.26)
  Bottom w0.25: D43.2 133.19,18.26 v1(131.76,18.26) ; v1(129.38,18.26) 129.38,15.34 SW43.1 127.04,11.53 127.04,4.46 SW50.1
Net-(D44-Pad2): length 7.6
  Bottom w0.25: D44.2 149.18,8.06 149.18,14.59 SW44.1
Net-(D45-Pad2): length 9.5
  Bottom w0.25: SW45.1 168.28,14.55 168.28,9.06 166.52,7.31 D45.2
Net-(D46-Pad2): length 9.5
  Bottom w0.25: SW46.1 187.32,14.55 187.32,9.06 185.57,7.31 D46.2
Net-(D47-Pad2): length 9.4
  Bottom w0.25: D47.2 204.62,7.31 206.33,9.02 206.33,14.59 SW47.1
Net-(D48-Pad2): length 9.5
  Bottom w0.25: D48.2 223.67,7.31 225.42,9.06 225.42,14.55 SW48.1
Net-(RD1-Pad2): length 6
  Top w0.25: RSW1.S2 210.24,95.36 v1(210.34,95.25)
  Bottom w0.25: v1(210.34,95.25) 210.34,96.68 RD1.2
Net-(U2-Pad14): length 12
  Top w0.25: v1(92.07,88.11) v1(86.52,88.11)
  Bottom w0.25: v1(86.52,88.11) 86.04,87.63 U2.14 ; v1(92.07,88.11) 92.07,85.37 U3.9

## Text on the board
B.Silkscreen: mongus48 / v0.0 / by sporewoh | 緊急会議？
